# KiCad board panel12-1616.kicad_pcb (continued)
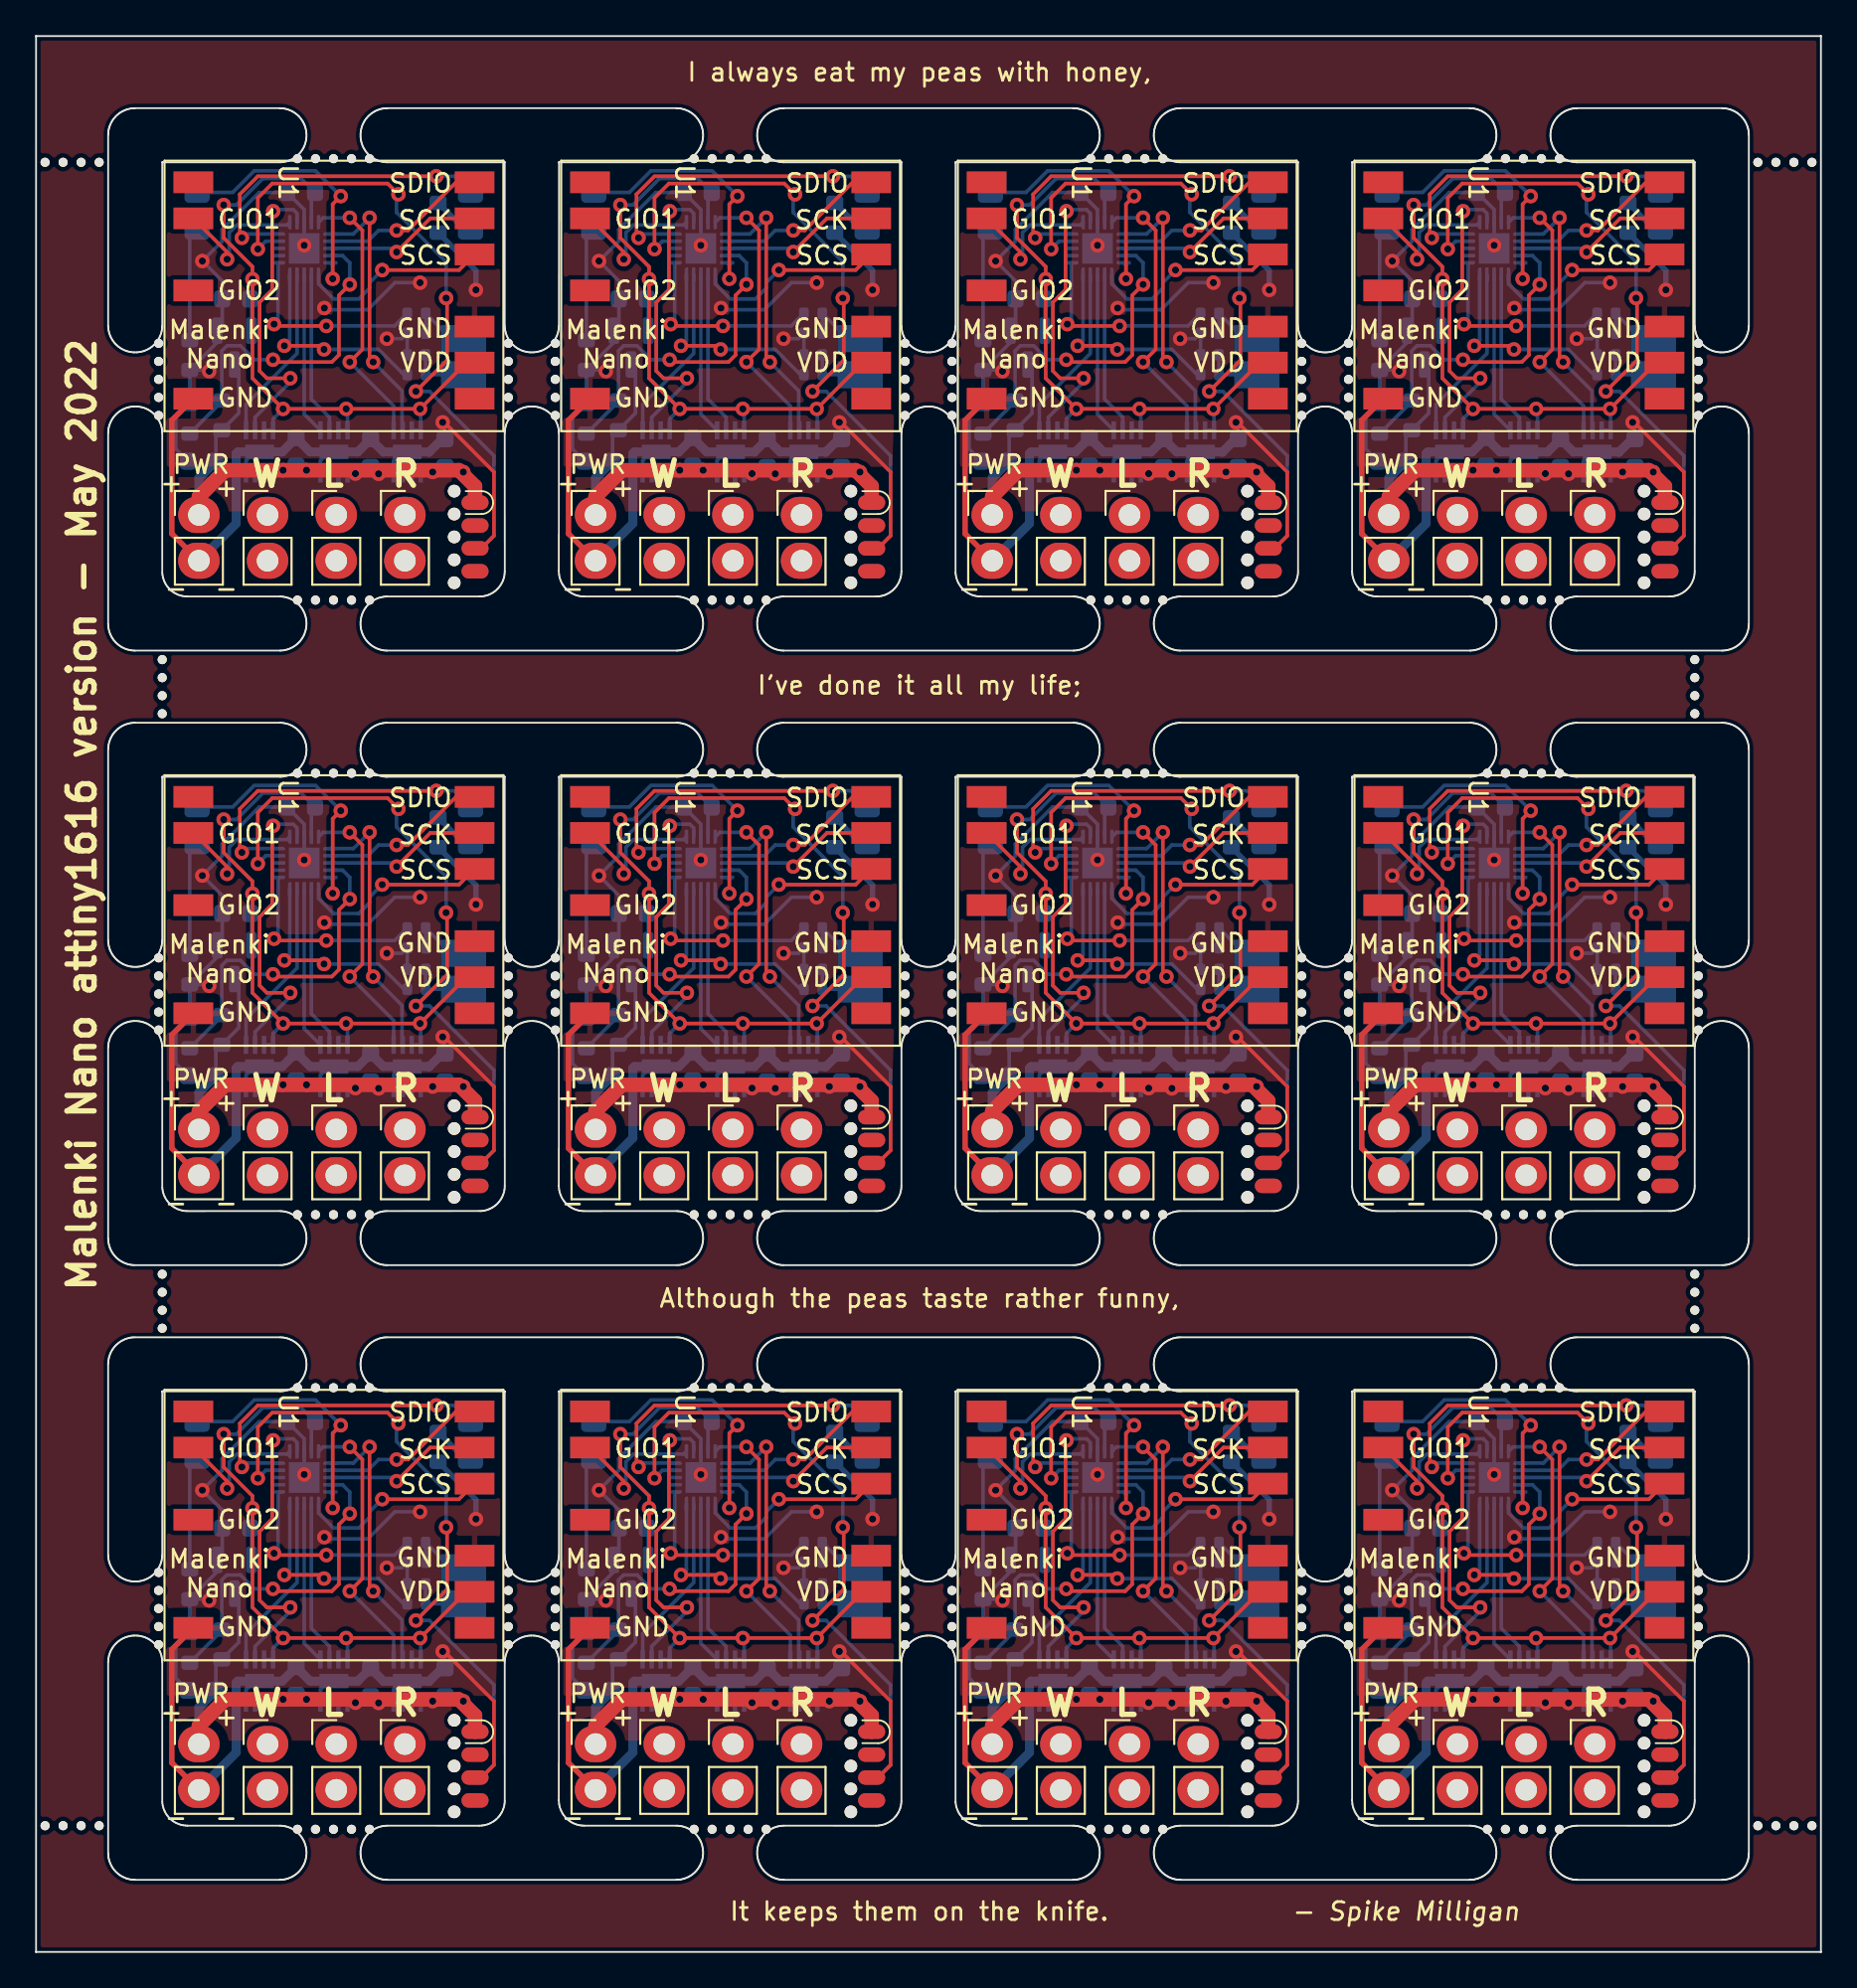
[diagram p0: board, top side]
## Placement (name value [footprint] x y rotation side) (continued)
REF**#46  -  [NPTH]  97.52 7 0 top
REF**#47  -  [NPTH]  82.52 99.45 0 top
REF**#48  -  [NPTH]  61.51 99.45 0 top
REF**#49  -  [NPTH]  48.21 19.04 0 top
REF**#50  -  [NPTH]  59.51 40.89 0 top
REF**#51  -  [NPTH]  70.21 17.05 0 top
REF**#52  -  [NPTH]  39.51 74.97 0 top
REF**#53  -  [NPTH]  40.51 65.37 0 top
REF**#54  -  [NPTH]  15.5 31.29 0 top
REF**#55  -  [NPTH]  38.51 40.89 0 top
REF**#56  -  [NPTH]  28.81 88.21 0 top
REF**#57  -  [NPTH]  15.5 99.45 0 top
REF**#58  -  [NPTH]  16.5 40.89 0 top
REF**#59  -  [NPTH]  17.5 31.29 0 top
REF**#60  -  [NPTH]  6.8 87.21 0 top
REF**#61  -  [NPTH]  92.22 88.21 0 top
REF**#62  -  [NPTH]  83.52 40.89 0 top
REF**#63  -  [NPTH]  7 37.59 0 top
REF**#64  -  [NPTH]  28.81 21.05 0 top
REF**#65  -  [NPTH]  62.51 40.89 0 top
REF**#66  -  [NPTH]  38.51 31.29 0 top
REF**#67  -  [NPTH]  98.52 99.25 0 top
REF**#68  -  [NPTH]  92.22 86.21 0 top
REF**#69  -  [NPTH]  40.51 31.29 0 top
REF**#70  -  [NPTH]  18.5 6.8 0 top
REF**#71  -  [NPTH]  72.81 20.05 0 top
REF**#72  -  [NPTH]  80.52 74.97 0 top
REF**#73  -  [NPTH]  28.81 86.21 0 top
REF**#74  -  [NPTH]  26.2 55.13 0 top
REF**#75  -  [NPTH]  14.5 40.89 0 top
REF**#76  -  [NPTH]  92.22 87.21 0 top
REF**#77  -  [NPTH]  50.81 88.21 0 top
REF**#78  -  [NPTH]  16.5 6.8 0 top
REF**#79  -  [NPTH]  28.8 17.05 0 top
REF**#80  -  [NPTH]  92.02 68.67 0 top
REF**#81  -  [NPTH]  26.2 52.13 0 top
REF**#82  -  [NPTH]  92.02 69.67 0 top
REF**#83  -  [NPTH]  92.22 18.04 0 top
REF**#84  -  [NPTH]  59.51 6.8 0 top
REF**#85  -  [NPTH]  59.51 74.97 0 top
REF**#86  -  [NPTH]  36.51 40.89 0 top
REF**#87  -  [NPTH]  61.51 65.37 0 top
REF**#88  -  [NPTH]  92.02 34.59 0 top
REF**#89  -  [NPTH]  14.5 65.37 0 top
REF**#90  -  [NPTH]  26.2 19.05 0 top
REF**#91  -  [NPTH]  1.5 99.25 0 top
REF**#92  -  [NPTH]  48.21 53.13 0 top
REF**#93  -  [NPTH]  72.81 88.21 0 top
REF**#94  -  [NPTH]  26.2 21.05 0 top
REF**#95  -  [NPTH]  40.51 99.45 0 top
REF**#96  -  [NPTH]  58.51 31.29 0 top
REF**#97  -  [NPTH]  80.52 6.8 0 top
REF**#98  -  [NPTH]  2.5 7 0 top
REF**#99  -  [NPTH]  58.51 65.37 0 top
REF**#100  -  [NPTH]  16.5 99.45 0 top
REF**#101  -  [NPTH]  48.21 18.04 0 top
REF**#102  -  [NPTH]  48.21 89.21 0 top
REF**#103  -  [NPTH]  92.22 19.04 0 top
REF**#104  -  [NPTH]  37.51 99.45 0 top
REF**#105  -  [NPTH]  28.81 89.21 0 top
REF**#106  -  [NPTH]  16.5 65.37 0 top
REF**#107  -  [NPTH]  6.8 54.13 0 top
REF**#108  -  [NPTH]  26.2 88.21 0 top
REF**#109  -  [NPTH]  28.81 87.21 0 top
REF**#110  -  [NPTH]  3.5 7 0 top
REF**#111  -  [NPTH]  18.5 74.97 0 top
REF**#112  -  [NPTH]  38.51 74.97 0 top
REF**#113  -  [NPTH]  48.21 88.21 0 top
REF**#114  -  [NPTH]  48.21 51.13 0 top
REF**#115  -  [NPTH]  50.81 86.21 0 top
REF**#116  -  [NPTH]  60.51 6.8 0 top
REF**#117  -  [NPTH]  26.2 18.05 0 top
REF**#118  -  [NPTH]  7 68.67 0 top
REF**#119  -  [NPTH]  70.21 19.05 0 top
REF**#120  -  [NPTH]  28.81 55.13 0 top
REF**#121  -  [NPTH]  82.52 40.89 0 top
REF**#122  -  [NPTH]  72.81 85.21 0 top
REF**#123  -  [NPTH]  28.81 18.05 0 top
REF**#124  -  [NPTH]  39.51 6.8 0 top
REF**#125  -  [NPTH]  6.8 88.21 0 top
REF**#126  -  [NPTH]  15.5 40.89 0 top
REF**#127  -  [NPTH]  70.21 87.21 0 top
REF**#128  -  [NPTH]  92.22 17.04 0 top
REF**#129  -  [NPTH]  50.81 52.13 0 top
REF**#130  -  [NPTH]  17.5 74.97 0 top
REF**#131  -  [NPTH]  40.51 74.97 0 top
REF**#132  -  [NPTH]  60.51 65.37 0 top
REF**#133  -  [NPTH]  40.51 40.89 0 top
REF**#134  -  [NPTH]  80.52 40.89 0 top
REF**#135  -  [NPTH]  84.52 40.89 0 top
REF**#136  -  [NPTH]  84.52 65.37 0 top
REF**#137  -  [NPTH]  81.52 6.8 0 top
REF**#138  -  [NPTH]  26.2 89.21 0 top
REF**#139  -  [NPTH]  15.5 65.37 0 top
REF**#140  -  [NPTH]  50.81 53.13 0 top
REF**#141  -  [NPTH]  6.8 89.21 0 top
REF**#142  -  [NPTH]  18.5 31.29 0 top
REF**#143  -  [NPTH]  83.52 31.29 0 top
REF**#144  -  [NPTH]  17.5 65.37 0 top
REF**#145  -  [NPTH]  39.51 65.37 0 top
REF**#146  -  [NPTH]  72.81 53.13 0 top
REF**#147  -  [NPTH]  98.52 7 0 top
REF**#148  -  [NPTH]  92.22 55.13 0 top
REF**#149  -  [NPTH]  82.52 65.37 0 top
REF**#150  -  [NPTH]  50.81 51.13 0 top
REF**#151  -  [NPTH]  70.21 18.05 0 top
REF**#152  -  [NPTH]  17.5 40.89 0 top
REF**#153  -  [NPTH]  92.22 85.21 0 top
REF**#154  -  [NPTH]  26.2 86.21 0 top
REF**#155  -  [NPTH]  37.51 31.29 0 top
REF**#156  -  [NPTH]  18.5 65.37 0 top
REF**#157  -  [NPTH]  81.52 74.97 0 top
REF**#158  -  [NPTH]  62.51 99.45 0 top
REF**#159  -  [NPTH]  83.52 99.45 0 top
REF**#160  -  [NPTH]  92.02 70.67 0 top
REF**#161  -  [NPTH]  92.22 52.13 0 top
REF**#162  -  [NPTH]  92.22 53.13 0 top
REF**#163  -  [NPTH]  50.81 89.21 0 top
REF**#164  -  [NPTH]  60.51 31.29 0 top
REF**#165  -  [NPTH]  28.81 19.05 0 top
REF**#166  -  [NPTH]  60.51 99.45 0 top
REF**#167  -  [NPTH]  6.8 52.13 0 top
REF**#168  -  [NPTH]  50.81 19.05 0 top
REF**#169  -  [NPTH]  58.51 6.8 0 top
REF**#170  -  [NPTH]  80.52 99.45 0 top
REF**#171  -  [NPTH]  38.51 99.45 0 top
REF**#172  -  [NPTH]  39.51 31.29 0 top
REF**#173  -  [NPTH]  96.52 99.25 0 top
REF**#174  -  [NPTH]  84.52 6.8 0 top
REF**#175  -  [NPTH]  70.21 53.13 0 top
REF**#176  -  [NPTH]  80.52 65.37 0 top
REF**#177  -  [NPTH]  36.51 6.8 0 top
REF**#178  -  [NPTH]  60.51 40.89 0 top
REF**#179  -  [NPTH]  28.81 54.13 0 top
REF**#180  -  [NPTH]  6.8 55.13 0 top
REF**#181  -  [NPTH]  17.5 99.45 0 top
REF**#182  -  [NPTH]  92.22 54.13 0 top
REF**#183  -  [NPTH]  15.5 74.97 0 top
REF**#184  -  [NPTH]  62.51 74.97 0 top
REF**#185  -  [NPTH]  6.8 53.13 0 top
REF**#186  -  [NPTH]  97.52 99.25 0 top
REF**#187  -  [NPTH]  96.52 7 0 top
REF**#188  -  [NPTH]  36.51 99.45 0 top
REF**#189  -  [NPTH]  6.8 18.05 0 top
REF**#190  -  [NPTH]  48.21 87.21 0 top
REF**#191  -  [NPTH]  28.81 20.05 0 top
REF**#192  -  [NPTH]  26.2 17.05 0 top
REF**#193  -  [NPTH]  83.52 6.8 0 top
REF**#194  -  [NPTH]  72.81 21.05 0 top
REF**#195  -  [NPTH]  83.52 74.97 0 top
REF**#196  -  [NPTH]  39.51 40.89 0 top
REF**#197  -  [NPTH]  83.52 65.37 0 top
REF**#198  -  [NPTH]  92.02 35.59 0 top
REF**#199  -  [NPTH]  48.21 54.13 0 top
REF**#200  -  [NPTH]  36.51 31.29 0 top
REF**#201  -  [NPTH]  95.52 99.25 0 top
REF**#202  -  [NPTH]  17.5 6.8 0 top
REF**#203  -  [NPTH]  6.8 17.05 0 top
REF**#204  -  [NPTH]  72.81 55.13 0 top
REF**#205  -  [NPTH]  59.51 65.37 0 top
REF**#206  -  [NPTH]  14.5 6.8 0 top
REF**#207  -  [NPTH]  59.51 99.45 0 top
REF**#208  -  [NPTH]  6.8 20.05 0 top
REF**#209  -  [NPTH]  72.81 89.21 0 top
REF**#210  -  [NPTH]  0.5 99.25 0 top
REF**#211  -  [NPTH]  15.5 6.8 0 top
REF**#212  -  [NPTH]  48.21 17.04 0 top
REF**#213  -  [NPTH]  58.51 74.97 0 top
REF**#214  -  [NPTH]  70.21 51.13 0 top
REF**#215  -  [NPTH]  81.52 99.45 0 top
REF**#216  -  [NPTH]  81.52 40.89 0 top
REF**#217  -  [NPTH]  7 70.67 0 top
REF**#218  -  [NPTH]  92.02 36.59 0 top
REF**#219  -  [NPTH]  70.21 86.21 0 top
REF**#220  -  [NPTH]  72.81 87.21 0 top
REF**#221  -  [NPTH]  70.21 20.05 0 top
REF**#222  -  [NPTH]  58.51 40.89 0 top
REF**#223  -  [NPTH]  92.22 21.04 0 top
REF**#224  -  [NPTH]  72.81 86.21 0 top
REF**#225  -  [NPTH]  48.21 86.21 0 top
REF**#226  -  [NPTH]  62.51 31.29 0 top
REF**#227  -  [NPTH]  14.5 99.45 0 top
REF**#228  -  [NPTH]  26.2 53.13 0 top
REF**#229  -  [NPTH]  61.51 74.97 0 top
REF**#230  -  [NPTH]  72.81 52.13 0 top
REF**#231  -  [NPTH]  7 69.67 0 top
REF**#232  -  [NPTH]  84.52 99.45 0 top
REF**#233  -  [NPTH]  37.51 40.89 0 top
REF**#234  -  [NPTH]  70.21 55.13 0 top
REF**#235  -  [NPTH]  16.5 31.29 0 top
REF**#236  -  [NPTH]  0.5 7 0 top
REF**#237  -  [NPTH]  6.8 51.13 0 top
REF**#238  -  [NPTH]  50.81 87.21 0 top
REF**#239  -  [NPTH]  48.21 21.04 0 top
REF**#240  -  [NPTH]  81.52 31.29 0 top
REF**#241  -  [NPTH]  48.21 55.13 0 top
REF**#242  -  [NPTH]  72.81 51.13 0 top
REF**#243  -  [NPTH]  50.81 54.13 0 top
REF**#244  -  [NPTH]  61.51 31.29 0 top
REF**#245  -  [NPTH]  72.81 54.13 0 top
REF**#246  -  [NPTH]  92.02 71.67 0 top
REF**#247  -  [NPTH]  28.8 85.21 0 top
REF**#248  -  [NPTH]  48.21 85.21 0 top
REF**#249  -  [NPTH]  6.8 86.21 0 top
REF**#250  -  [NPTH]  26.2 20.05 0 top
REF**#251  -  [NPTH]  84.52 31.29 0 top
REF**#252  -  [NPTH]  40.51 6.8 0 top
REF**#253  -  [NPTH]  92.22 51.13 0 top
REF**#254  -  [NPTH]  70.21 89.21 0 top
REF**#255  -  [NPTH]  72.81 19.05 0 top
REF**#256  -  [NPTH]  70.21 85.21 0 top
REF**#257  -  [NPTH]  80.52 31.29 0 top
REF**#258  -  [NPTH]  48.21 52.13 0 top
REF**#259  -  [NPTH]  82.52 31.29 0 top
REF**#260  -  [NPTH]  37.51 6.8 0 top
REF**#261  -  [NPTH]  70.21 54.13 0 top
REF**#262  -  [NPTH]  2.5 99.25 0 top
REF**#263  -  [NPTH]  95.52 7 0 top
REF**#264  -  [NPTH]  6.8 21.05 0 top
REF**#265  -  [NPTH]  61.51 6.8 0 top
REF**#266  -  [NPTH]  28.81 53.13 0 top
REF**#267  -  [NPTH]  7 71.67 0 top
REF**#268  -  [NPTH]  28.81 52.13 0 top
REF**#269  -  [NPTH]  84.52 74.97 0 top
REF**#270  -  [NPTH]  18.5 99.45 0 top
REF**#271  -  [NPTH]  50.81 20.05 0 top
REF**#272  -  [NPTH]  48.21 20.04 0 top
U1  A7105-MODULE  [A7105-module]  60.54 92.14 270 top
U1#2  A7105-MODULE  [A7105-module]  82.54 58.06 270 top
U1#3  A7105-MODULE  [A7105-module]  38.53 58.06 270 top
U1#4  A7105-MODULE  [A7105-module]  60.54 23.97 270 top
U1#5  A7105-MODULE  [A7105-module]  82.54 23.97 270 top
U1#6  A7105-MODULE  [A7105-module]  60.54 58.06 270 top
U1#7  A7105-MODULE  [A7105-module]  16.53 92.14 270 top
U1#8  A7105-MODULE  [A7105-module]  82.54 92.14 270 top
U1#9  A7105-MODULE  [A7105-module]  38.53 23.97 270 top
U1#10  A7105-MODULE  [A7105-module]  38.53 92.14 270 top
U1#11  A7105-MODULE  [A7105-module]  16.53 58.06 270 top
U1#12  A7105-MODULE  [A7105-module]  16.53 23.97 270 top
U2  AIC1734-33GUTR  [SOT-23]  11 54.89 270 bottom
U2#2  AIC1734-33GUTR  [SOT-23]  33.01 88.97 270 bottom
U2#3  AIC1734-33GUTR  [SOT-23]  55.01 88.97 270 bottom
U2#4  AIC1734-33GUTR  [SOT-23]  33.01 54.89 270 bottom
U2#5  AIC1734-33GUTR  [SOT-23]  11 20.81 270 bottom
U2#6  AIC1734-33GUTR  [SOT-23]  33.01 20.81 270 bottom
U2#7  AIC1734-33GUTR  [SOT-23]  55.01 20.81 270 bottom
U2#8  AIC1734-33GUTR  [SOT-23]  77.02 54.89 270 bottom
U2#9  AIC1734-33GUTR  [SOT-23]  77.02 20.81 270 bottom
U2#10  AIC1734-33GUTR  [SOT-23]  55.01 54.89 270 bottom
U2#11  AIC1734-33GUTR  [SOT-23]  11 88.97 270 bottom
U2#12  AIC1734-33GUTR  [SOT-23]  77.02 88.97 270 bottom
U3  ATtiny1616-M  [VQFN-20-1EP_3x3mm_P0.4mm_EP1.7x1.7mm]  80.89 60.39 270 bottom
U3#2  ATtiny1616-M  [VQFN-20-1EP_3x3mm_P0.4mm_EP1.7x1.7mm]  80.89 94.47 270 bottom
U3#3  ATtiny1616-M  [VQFN-20-1EP_3x3mm_P0.4mm_EP1.7x1.7mm]  14.88 26.31 270 bottom
U3#4  ATtiny1616-M  [VQFN-20-1EP_3x3mm_P0.4mm_EP1.7x1.7mm]  58.89 26.31 270 bottom
U3#5  ATtiny1616-M  [VQFN-20-1EP_3x3mm_P0.4mm_EP1.7x1.7mm]  36.88 26.31 270 bottom
U3#6  ATtiny1616-M  [VQFN-20-1EP_3x3mm_P0.4mm_EP1.7x1.7mm]  58.89 94.47 270 bottom
U3#7  ATtiny1616-M  [VQFN-20-1EP_3x3mm_P0.4mm_EP1.7x1.7mm]  36.88 94.47 270 bottom
U3#8  ATtiny1616-M  [VQFN-20-1EP_3x3mm_P0.4mm_EP1.7x1.7mm]  14.88 94.47 270 bottom
U3#9  ATtiny1616-M  [VQFN-20-1EP_3x3mm_P0.4mm_EP1.7x1.7mm]  58.89 60.39 270 bottom
U3#10  ATtiny1616-M  [VQFN-20-1EP_3x3mm_P0.4mm_EP1.7x1.7mm]  36.88 60.39 270 bottom
U3#11  ATtiny1616-M  [VQFN-20-1EP_3x3mm_P0.4mm_EP1.7x1.7mm]  14.88 60.39 270 bottom
U3#12  ATtiny1616-M  [VQFN-20-1EP_3x3mm_P0.4mm_EP1.7x1.7mm]  80.89 26.31 270 bottom
U5  DRV8837DSGR  [WSON-8-1EP_2x2mm_P0.5mm_HAND1]  34.4 83.19 90 bottom
U5#2  DRV8837DSGR  [WSON-8-1EP_2x2mm_P0.5mm_HAND1]  78.41 49.1 90 bottom
U5#3  DRV8837DSGR  [WSON-8-1EP_2x2mm_P0.5mm_HAND1]  12.4 83.19 90 bottom
U5#4  DRV8837DSGR  [WSON-8-1EP_2x2mm_P0.5mm_HAND1]  56.41 49.1 90 bottom
U5#5  DRV8837DSGR  [WSON-8-1EP_2x2mm_P0.5mm_HAND1]  56.41 83.19 90 bottom
U5#6  DRV8837DSGR  [WSON-8-1EP_2x2mm_P0.5mm_HAND1]  12.4 49.1 90 bottom
U5#7  DRV8837DSGR  [WSON-8-1EP_2x2mm_P0.5mm_HAND1]  34.4 49.1 90 bottom
U5#8  DRV8837DSGR  [WSON-8-1EP_2x2mm_P0.5mm_HAND1]  34.4 15.02 90 bottom
U5#9  DRV8837DSGR  [WSON-8-1EP_2x2mm_P0.5mm_HAND1]  78.41 15.02 90 bottom
U5#10  DRV8837DSGR  [WSON-8-1EP_2x2mm_P0.5mm_HAND1]  56.41 15.02 90 bottom
U5#11  DRV8837DSGR  [WSON-8-1EP_2x2mm_P0.5mm_HAND1]  12.4 15.02 90 bottom
U5#12  DRV8837DSGR  [WSON-8-1EP_2x2mm_P0.5mm_HAND1]  78.41 83.19 90 bottom
U6  DRV8837DSGR  [WSON-8-1EP_2x2mm_P0.5mm_HAND1]  38.53 49.1 90 bottom
U6#2  DRV8837DSGR  [WSON-8-1EP_2x2mm_P0.5mm_HAND1]  82.54 15.02 90 bottom
U6#3  DRV8837DSGR  [WSON-8-1EP_2x2mm_P0.5mm_HAND1]  38.53 83.19 90 bottom
U6#4  DRV8837DSGR  [WSON-8-1EP_2x2mm_P0.5mm_HAND1]  60.54 49.1 90 bottom
U6#5  DRV8837DSGR  [WSON-8-1EP_2x2mm_P0.5mm_HAND1]  60.54 15.02 90 bottom
U6#6  DRV8837DSGR  [WSON-8-1EP_2x2mm_P0.5mm_HAND1]  16.53 49.1 90 bottom
U6#7  DRV8837DSGR  [WSON-8-1EP_2x2mm_P0.5mm_HAND1]  16.53 83.19 90 bottom
U6#8  DRV8837DSGR  [WSON-8-1EP_2x2mm_P0.5mm_HAND1]  38.53 15.02 90 bottom
U6#9  DRV8837DSGR  [WSON-8-1EP_2x2mm_P0.5mm_HAND1]  82.54 83.19 90 bottom
U6#10  DRV8837DSGR  [WSON-8-1EP_2x2mm_P0.5mm_HAND1]  60.54 83.19 90 bottom
U6#11  DRV8837DSGR  [WSON-8-1EP_2x2mm_P0.5mm_HAND1]  82.54 49.1 90 bottom
U6#12  DRV8837DSGR  [WSON-8-1EP_2x2mm_P0.5mm_HAND1]  16.53 15.02 90 bottom
U7  DRV8837DSGR  [WSON-8-1EP_2x2mm_P0.5mm_HAND1]  20.59 83.19 90 bottom
U7#2  DRV8837DSGR  [WSON-8-1EP_2x2mm_P0.5mm_HAND1]  64.6 49.1 90 bottom
U7#3  DRV8837DSGR  [WSON-8-1EP_2x2mm_P0.5mm_HAND1]  42.6 49.1 90 bottom
U7#4  DRV8837DSGR  [WSON-8-1EP_2x2mm_P0.5mm_HAND1]  86.6 49.1 90 bottom
U7#5  DRV8837DSGR  [WSON-8-1EP_2x2mm_P0.5mm_HAND1]  64.6 83.19 90 bottom
U7#6  DRV8837DSGR  [WSON-8-1EP_2x2mm_P0.5mm_HAND1]  86.6 15.02 90 bottom
U7#7  DRV8837DSGR  [WSON-8-1EP_2x2mm_P0.5mm_HAND1]  86.6 83.19 90 bottom
U7#8  DRV8837DSGR  [WSON-8-1EP_2x2mm_P0.5mm_HAND1]  42.6 83.19 90 bottom
U7#9  DRV8837DSGR  [WSON-8-1EP_2x2mm_P0.5mm_HAND1]  20.59 49.1 90 bottom
U7#10  DRV8837DSGR  [WSON-8-1EP_2x2mm_P0.5mm_HAND1]  64.6 15.02 90 bottom
U7#11  DRV8837DSGR  [WSON-8-1EP_2x2mm_P0.5mm_HAND1]  20.59 15.02 90 bottom
U7#12  DRV8837DSGR  [WSON-8-1EP_2x2mm_P0.5mm_HAND1]  42.6 15.02 90 bottom

## Library data of the parts
C2 C2#2-C2#12 C3 C3#2-C3#12 C5 C5#2-C5#12 C6 C6#2-C6#12 C7 C7#2-C7#12 = -: LCSC: C2922482
C4 C4#2-C4#12 = -: LCSC: C14663; Partnum: C14663
D1 D1#2-D1#12 = -: LCSC: C2293
D2 D2#2-D2#12 = -: LCSC: C84256
R1 R1#2-R1#12 R2 R2#2-R2#12 = -: LCSC: C22962; Partnum: C22962
R3 R3#2-R3#12 = -: LCSC: C4216; Partnum: C4216
R4 R4#2-R4#12 = -: LCSC: C25804; Partnum: C25804
R5 R5#2-R5#12 R6 R6#2-R6#12 = -: LCSC: C25117
R7 R7#2-R7#12 R8 R8#2-R8#12 = -: LCSC: C25744
U2 U2#2-U2#12 = -: LCSC: C211659; Partnum: C211659
U3 U3#2-U3#12 = -: LCSC: C507118
U5 U5#2-U5#12 U6 U6#2-U6#12 U7 U7#2-U7#12 = -: LCSC: C39159

## Footprints (pads in the part's own frame, mm; a bottom-side part is the same pattern mirrored in y, then rotated)
A7105-module
  rect 1.2x2.2 smd: 1(-6,-7.8) 2(-4,-7.8) 4(0,-7.8) 7(6,-7.8) 8(6,7.8) 9(4,7.8) 10(2,7.8) 12(-2,7.8) 13(-4,7.8) 14(-6,7.8)
C_0603_1608Metric
  rrect 0.9x0.95 smd: 1(-0.775,0) 2(0.775,0)
LED_0805_2012Metric_Pad1.15x1.40mm_HandSolder
  rrect 1.15x1.4 smd: 1(-1.025,0) 2(1.025,0)
NPTH
  round 0.5 hole 0.5 unplated: (0,0)
PinHeader_1x02_P2.54mm_BIG1
  oval 2.3x2 hole 1.2: 1(0,0) 2(0,-2.54)
R_0402_1005Metric
  rrect 0.54x0.64 smd: 1(-0.51,0) 2(0.51,0)
R_0603_1608Metric
  rrect 0.8x0.95 smd: 1(-0.825,0) 2(0.825,0)
SOIC_clipProgSmall
  round 0.7 hole 0.7 unplated: (-2.54,1.905) (-1.27,1.905) (0,1.905) (1.27,1.905) (2.54,1.905)
  oval 0.8x1.5 smd: 1(1.905,0.75) 2(0.635,0.75) 3(-0.635,0.75) 4(-1.905,0.75)
  oval 0.8x1.5 smd far side: 5(-1.905,0.75) 6(-0.635,0.75) 7(0.635,0.75) 8(1.905,0.75)
SOT-23
  rrect 1.475x0.6 smd: 1(-0.938,0.95) 2(-0.938,-0.95) 3(0.938,0)
VQFN-20-1EP_3x3mm_P0.4mm_EP1.7x1.7mm
  rrect 0.69x0.69 smd: (-0.425,-0.425) (-0.425,0.425) (0.425,-0.425) (0.425,0.425)
  custom 0.8x0.2 smd: 1(-1.45,0.8) 5(-1.45,-0.8) 11(1.45,-0.8) 15(1.45,0.8)
  rrect 0.8x0.2 smd: 2(-1.45,0.4) 3(-1.45,0) 4(-1.45,-0.4) 12(1.45,-0.4) 13(1.45,0) 14(1.45,0.4)
  custom 0.2x0.8 smd: 6(-0.8,-1.45) 10(0.8,-1.45) 16(0.8,1.45) 20(-0.8,1.45)
  rrect 0.2x0.8 smd: 7(-0.4,-1.45) 8(0,-1.45) 9(0.4,-1.45) 17(0.4,1.45) 18(0,1.45) 19(-0.4,1.45)
  rect 1.7x1.7 smd: 21(0,0)
wirepad_2
  rect 1.5x2.5 smd: 1(-1,0) 2(1,0)
WSON-8-1EP_2x2mm_P0.5mm_HAND1
  rect 0.6x0.65 smd: (0,-0.4) (0,0.4)
  rect 1x0.25 smd: 1(-1.2,0.75) 2(-1.2,0.25) 3(-1.2,-0.25) 4(-1.2,-0.75) 5(1.2,-0.75) 6(1.2,-0.25) 7(1.2,0.25) 8(1.2,0.75)
  rect 0.8x1.6 smd: 9(0,0)

## Nets
Board_0-/W2: R5#10.2 U3#8.15
Board_0-/W3: R6.2 U3#8.16
Board_0-BLINKY: D1#7.2 U3#8.10
Board_0-GIO1: U1#7.2 U3#8.1
Board_0-GND: C2#7.2 C3#10.2 C4#12.2 C5#9.2 C6#12.2 C7.2 J1#10.2 J2#11.3 R1#10.2 R2#2.2 R4#10.2 R7#10.1 R8#6.1 U1#7.7 U1#7.10 U2#11.1 U3#8.3 U3#8.21 U5#3.4 U5#3.9 U6#7.4 U6#7.9 U7.4 U7.9
Board_0-MOTOR1F: U3#8.2 U5#3.6
Board_0-MOTOR1R: U3#8.14 U5#3.5
Board_0-MOTOR2F: U3#8.12 U6#7.6
Board_0-MOTOR2R: U3#8.13 U6#7.5
Board_0-MOTOR3F: U3#8.6 U7.6
Board_0-MOTOR3R: U3#8.5 U7.5
Board_0-Net-(D1-Pad1): D1#7.1 R1#10.1
Board_0-Net-(D2-Pad1): D2#10.1 R2#2.1
Board_0-Net-(J5-Pad1): J5#4.1 U5#3.3
Board_0-Net-(J5-Pad2): J5#4.2 U5#3.2
Board_0-Net-(J6-Pad1): J6.1 U6#7.3
Board_0-Net-(J6-Pad2): J6.2 U6#7.2
Board_0-Net-(J7-Pad1): J7#12.1 U7.3
Board_0-Net-(J7-Pad2): J7#12.2 U7.2
Board_0-SPI_SCK: U1#7.13 U3#8.8
Board_0-SPI_SCS: U1#7.12 U3#8.11
Board_0-SPI_SDIO: U1#7.14 U3#8.7
Board_0-TXDEBUG: D2#10.2 U3#8.20
Board_0-unconnected-(J2-Pad2): J2#11.2
Board_0-unconnected-(J2-Pad4): J2#11.4
Board_0-unconnected-(J2-Pad5): J2#11.5
Board_0-unconnected-(J2-Pad7): J2#11.7
Board_0-unconnected-(J2-Pad8): J2#11.8
Board_0-unconnected-(U1-Pad1): U1#7.1
Board_0-unconnected-(U1-Pad4): U1#7.4
Board_0-unconnected-(U1-Pad8): U1#7.8
Board_0-unconnected-(U3-Pad17): U3#8.17
Board_0-unconnected-(U3-Pad18): U3#8.18
Board_0-UPDI: J2#11.6 U3#8.19
Board_0-VBAT: C2#7.1 C5#9.1 C6#12.1 C7.1 J1#10.1 J2#11.1 R3.1 U2#11.3 U5#3.1 U6#7.1 U7.1
Board_0-VLOGIC: C3#10.1 C4#12.1 U1#7.9 U2#11.2 U3#8.4 U5#3.7 U5#3.8 U6#7.7 U6#7.8 U7.7 U7.8
Board_0-VSENSE: R3.2 R4#10.1 U3#8.9
Board_0-WEAPON2: J3#6.2 R5#10.1 R7#10.2
Board_0-WEAPON3: J3#6.1 R6.1 R8#6.2
Board_1-/W2: R5#11.2 U3#7.15
Board_1-/W3: R6#7.2 U3#7.16
Board_1-BLINKY: D1#2.2 U3#7.10
Board_1-GIO1: U1#10.2 U3#7.1
Board_1-GND: C2#2.2 C3#12.2 C4#4.2 C5#4.2 C6#7.2 C7#2.2 J1#11.2 J2#10.3 R1.2 R2#6.2 R4#8.2 R7#11.1 R8#4.1 U1#10.7 U1#10.10 U2#2.1 U3#7.3 U3#7.21 U5.4 U5.9 U6#3.4 U6#3.9 U7#8.4 U7#8.9
Board_1-MOTOR1F: U3#7.2 U5.6
Board_1-MOTOR1R: U3#7.14 U5.5
Board_1-MOTOR2F: U3#7.12 U6#3.6
Board_1-MOTOR2R: U3#7.13 U6#3.5
Board_1-MOTOR3F: U3#7.6 U7#8.6
Board_1-MOTOR3R: U3#7.5 U7#8.5
Board_1-Net-(D1-Pad1): D1#2.1 R1.1
Board_1-Net-(D2-Pad1): D2#11.1 R2#6.1
Board_1-Net-(J5-Pad1): J5#8.1 U5.3
Board_1-Net-(J5-Pad2): J5#8.2 U5.2
Board_1-Net-(J6-Pad1): J6#5.1 U6#3.3
Board_1-Net-(J6-Pad2): J6#5.2 U6#3.2
Board_1-Net-(J7-Pad1): J7#3.1 U7#8.3
Board_1-Net-(J7-Pad2): J7#3.2 U7#8.2
Board_1-SPI_SCK: U1#10.13 U3#7.8
Board_1-SPI_SCS: U1#10.12 U3#7.11
Board_1-SPI_SDIO: U1#10.14 U3#7.7
Board_1-TXDEBUG: D2#11.2 U3#7.20
Board_1-unconnected-(J2-Pad2): J2#10.2
Board_1-unconnected-(J2-Pad4): J2#10.4
Board_1-unconnected-(J2-Pad5): J2#10.5
Board_1-unconnected-(J2-Pad7): J2#10.7
Board_1-unconnected-(J2-Pad8): J2#10.8
Board_1-unconnected-(U1-Pad1): U1#10.1
Board_1-unconnected-(U1-Pad4): U1#10.4
Board_1-unconnected-(U1-Pad8): U1#10.8
Board_1-unconnected-(U3-Pad17): U3#7.17
Board_1-unconnected-(U3-Pad18): U3#7.18
Board_1-UPDI: J2#10.6 U3#7.19
Board_1-VBAT: C2#2.1 C5#4.1 C6#7.1 C7#2.1 J1#11.1 J2#10.1 R3#6.1 U2#2.3 U5.1 U6#3.1 U7#8.1
Board_1-VLOGIC: C3#12.1 C4#4.1 U1#10.9 U2#2.2 U3#7.4 U5.7 U5.8 U6#3.7 U6#3.8 U7#8.7 U7#8.8
Board_1-VSENSE: R3#6.2 R4#8.1 U3#7.9
Board_1-WEAPON2: J3#9.2 R5#11.1 R7#11.2
Board_1-WEAPON3: J3#9.1 R6#7.1 R8#4.2
Board_2-/W2: R5#4.2 U3#6.15
Board_2-/W3: R6#3.2 U3#6.16
Board_2-BLINKY: D1#3.2 U3#6.10
Board_2-GIO1: U1.2 U3#6.1
Board_2-GND: C2#3.2 C3#5.2 C4#9.2 C5#8.2 C6#11.2 C7#12.2 J1#7.2 J2#3.3 R1#11.2 R2#4.2 R4#4.2 R7#7.1 R8.1 U1.7 U1.10 U2#3.1 U3#6.3 U3#6.21 U5#5.4 U5#5.9 U6#10.4 U6#10.9 U7#5.4 U7#5.9
Board_2-MOTOR1F: U3#6.2 U5#5.6
Board_2-MOTOR1R: U3#6.14 U5#5.5
Board_2-MOTOR2F: U3#6.12 U6#10.6
Board_2-MOTOR2R: U3#6.13 U6#10.5
Board_2-MOTOR3F: U3#6.6 U7#5.6
Board_2-MOTOR3R: U3#6.5 U7#5.5
Board_2-Net-(D1-Pad1): D1#3.1 R1#11.1
Board_2-Net-(D2-Pad1): D2#3.1 R2#4.1
Board_2-Net-(J5-Pad1): J5#2.1 U5#5.3
Board_2-Net-(J5-Pad2): J5#2.2 U5#5.2
Board_2-Net-(J6-Pad1): J6#6.1 U6#10.3
Board_2-Net-(J6-Pad2): J6#6.2 U6#10.2
Board_2-Net-(J7-Pad1): J7#2.1 U7#5.3
Board_2-Net-(J7-Pad2): J7#2.2 U7#5.2
Board_2-SPI_SCK: U1.13 U3#6.8
Board_2-SPI_SCS: U1.12 U3#6.11
Board_2-SPI_SDIO: U1.14 U3#6.7
Board_2-TXDEBUG: D2#3.2 U3#6.20
Board_2-unconnected-(J2-Pad2): J2#3.2
Board_2-unconnected-(J2-Pad4): J2#3.4
Board_2-unconnected-(J2-Pad5): J2#3.5
Board_2-unconnected-(J2-Pad7): J2#3.7
Board_2-unconnected-(J2-Pad8): J2#3.8
Board_2-unconnected-(U1-Pad1): U1.1
Board_2-unconnected-(U1-Pad4): U1.4
Board_2-unconnected-(U1-Pad8): U1.8
Board_2-unconnected-(U3-Pad17): U3#6.17
Board_2-unconnected-(U3-Pad18): U3#6.18
Board_2-UPDI: J2#3.6 U3#6.19
Board_2-VBAT: C2#3.1 C5#8.1 C6#11.1 C7#12.1 J1#7.1 J2#3.1 R3#9.1 U2#3.3 U5#5.1 U6#10.1 U7#5.1
Board_2-VLOGIC: C3#5.1 C4#9.1 U1.9 U2#3.2 U3#6.4 U5#5.7 U5#5.8 U6#10.7 U6#10.8 U7#5.7 U7#5.8
Board_2-VSENSE: R3#9.2 R4#4.1 U3#6.9
Board_2-WEAPON2: J3#12.2 R5#4.1 R7#7.2
Board_2-WEAPON3: J3#12.1 R6#3.1 R8.2
Board_3-/W2: R5#6.2 U3#2.15
Board_3-/W3: R6#5.2 U3#2.16
Board_3-BLINKY: D1#10.2 U3#2.10
Board_3-GIO1: U1#8.2 U3#2.1
Board_3-GND: C2#6.2 C3#7.2 C4#11.2 C5.2 C6#5.2 C7#8.2 J1.2 J2.3 R1#8.2 R2#9.2 R4#9.2 R7#2.1 R8#3.1 U1#8.7 U1#8.10 U2#12.1 U3#2.3 U3#2.21 U5#12.4 U5#12.9 U6#9.4 U6#9.9 U7#7.4 U7#7.9
Board_3-MOTOR1F: U3#2.2 U5#12.6
Board_3-MOTOR1R: U3#2.14 U5#12.5
Board_3-MOTOR2F: U3#2.12 U6#9.6
Board_3-MOTOR2R: U3#2.13 U6#9.5
Board_3-MOTOR3F: U3#2.6 U7#7.6
Board_3-MOTOR3R: U3#2.5 U7#7.5
Board_3-Net-(D1-Pad1): D1#10.1 R1#8.1
Board_3-Net-(D2-Pad1): D2#8.1 R2#9.1
Board_3-Net-(J5-Pad1): J5#6.1 U5#12.3
Board_3-Net-(J5-Pad2): J5#6.2 U5#12.2
Board_3-Net-(J6-Pad1): J6#3.1 U6#9.3
Board_3-Net-(J6-Pad2): J6#3.2 U6#9.2
Board_3-Net-(J7-Pad1): J7.1 U7#7.3
Board_3-Net-(J7-Pad2): J7.2 U7#7.2
Board_3-SPI_SCK: U1#8.13 U3#2.8
Board_3-SPI_SCS: U1#8.12 U3#2.11
Board_3-SPI_SDIO: U1#8.14 U3#2.7
Board_3-TXDEBUG: D2#8.2 U3#2.20
Board_3-unconnected-(J2-Pad2): J2.2
Board_3-unconnected-(J2-Pad4): J2.4
Board_3-unconnected-(J2-Pad5): J2.5
Board_3-unconnected-(J2-Pad7): J2.7
Board_3-unconnected-(J2-Pad8): J2.8
Board_3-unconnected-(U1-Pad1): U1#8.1
Board_3-unconnected-(U1-Pad4): U1#8.4
Board_3-unconnected-(U1-Pad8): U1#8.8
Board_3-unconnected-(U3-Pad17): U3#2.17
Board_3-unconnected-(U3-Pad18): U3#2.18
Board_3-UPDI: J2.6 U3#2.19
Board_3-VBAT: C2#6.1 C5.1 C6#5.1 C7#8.1 J1.1 J2.1 R3#8.1 U2#12.3 U5#12.1 U6#9.1 U7#7.1
Board_3-VLOGIC: C3#7.1 C4#11.1 U1#8.9 U2#12.2 U3#2.4 U5#12.7 U5#12.8 U6#9.7 U6#9.8 U7#7.7 U7#7.8
Board_3-VSENSE: R3#8.2 R4#9.1 U3#2.9
Board_3-WEAPON2: J3#8.2 R5#6.1 R7#2.2
Board_3-WEAPON3: J3#8.1 R6#5.1 R8#3.2
Board_4-/W2: R5#2.2 U3#11.15
Board_4-/W3: R6#10.2 U3#11.16
Board_4-BLINKY: D1.2 U3#11.10
Board_4-GIO1: U1#11.2 U3#11.1
Board_4-GND: C2#12.2 C3#8.2 C4#2.2 C5#5.2 C6#2.2 C7#9.2 J1#8.2 J2#4.3 R1#3.2 R2#8.2 R4#3.2 R7#8.1 R8#12.1 U1#11.7 U1#11.10 U2.1 U3#11.3 U3#11.21 U5#6.4 U5#6.9 U6#6.4 U6#6.9 U7#9.4 U7#9.9
Board_4-MOTOR1F: U3#11.2 U5#6.6
Board_4-MOTOR1R: U3#11.14 U5#6.5
Board_4-MOTOR2F: U3#11.12 U6#6.6
Board_4-MOTOR2R: U3#11.13 U6#6.5
Board_4-MOTOR3F: U3#11.6 U7#9.6
Board_4-MOTOR3R: U3#11.5 U7#9.5
Board_4-Net-(D1-Pad1): D1.1 R1#3.1
Board_4-Net-(D2-Pad1): D2.1 R2#8.1
Board_4-Net-(J5-Pad1): J5.1 U5#6.3
Board_4-Net-(J5-Pad2): J5.2 U5#6.2
Board_4-Net-(J6-Pad1): J6#4.1 U6#6.3
Board_4-Net-(J6-Pad2): J6#4.2 U6#6.2
Board_4-Net-(J7-Pad1): J7#11.1 U7#9.3
Board_4-Net-(J7-Pad2): J7#11.2 U7#9.2
Board_4-SPI_SCK: U1#11.13 U3#11.8
Board_4-SPI_SCS: U1#11.12 U3#11.11
Board_4-SPI_SDIO: U1#11.14 U3#11.7
Board_4-TXDEBUG: D2.2 U3#11.20
Board_4-unconnected-(J2-Pad2): J2#4.2
Board_4-unconnected-(J2-Pad4): J2#4.4
Board_4-unconnected-(J2-Pad5): J2#4.5
Board_4-unconnected-(J2-Pad7): J2#4.7
Board_4-unconnected-(J2-Pad8): J2#4.8
Board_4-unconnected-(U1-Pad1): U1#11.1
Board_4-unconnected-(U1-Pad4): U1#11.4
Board_4-unconnected-(U1-Pad8): U1#11.8
Board_4-unconnected-(U3-Pad17): U3#11.17
Board_4-unconnected-(U3-Pad18): U3#11.18
Board_4-UPDI: J2#4.6 U3#11.19
Board_4-VBAT: C2#12.1 C5#5.1 C6#2.1 C7#9.1 J1#8.1 J2#4.1 R3#12.1 U2.3 U5#6.1 U6#6.1 U7#9.1
Board_4-VLOGIC: C3#8.1 C4#2.1 U1#11.9 U2.2 U3#11.4 U5#6.7 U5#6.8 U6#6.7 U6#6.8 U7#9.7 U7#9.8
Board_4-VSENSE: R3#12.2 R4#3.1 U3#11.9
Board_4-WEAPON2: J3#3.2 R5#2.1 R7#8.2
Board_4-WEAPON3: J3#3.1 R6#10.1 R8#12.2
Board_5-/W2: R5#3.2 U3#10.15
Board_5-/W3: R6#8.2 U3#10.16
Board_5-BLINKY: D1#12.2 U3#10.10
Board_5-GIO1: U1#3.2 U3#10.1
Board_5-GND: C2#10.2 C3#2.2 C4#5.2 C5#6.2 C6#6.2 C7#4.2 J1#3.2 J2#12.3 R1#7.2 R2#10.2 R4#11.2 R7#12.1 R8#10.1 U1#3.7 U1#3.10 U2#4.1 U3#10.3 U3#10.21 U5#7.4 U5#7.9 U6.4 U6.9 U7#3.4 U7#3.9
Board_5-MOTOR1F: U3#10.2 U5#7.6
Board_5-MOTOR1R: U3#10.14 U5#7.5
Board_5-MOTOR2F: U3#10.12 U6.6
Board_5-MOTOR2R: U3#10.13 U6.5
Board_5-MOTOR3F: U3#10.6 U7#3.6
Board_5-MOTOR3R: U3#10.5 U7#3.5
Board_5-Net-(D1-Pad1): D1#12.1 R1#7.1
Board_5-Net-(D2-Pad1): D2#12.1 R2#10.1
Board_5-Net-(J5-Pad1): J5#7.1 U5#7.3
Board_5-Net-(J5-Pad2): J5#7.2 U5#7.2
Board_5-Net-(J6-Pad1): J6#12.1 U6.3
Board_5-Net-(J6-Pad2): J6#12.2 U6.2
Board_5-Net-(J7-Pad1): J7#4.1 U7#3.3
Board_5-Net-(J7-Pad2): J7#4.2 U7#3.2
Board_5-SPI_SCK: U1#3.13 U3#10.8
Board_5-SPI_SCS: U1#3.12 U3#10.11
Board_5-SPI_SDIO: U1#3.14 U3#10.7
Board_5-TXDEBUG: D2#12.2 U3#10.20
Board_5-unconnected-(J2-Pad2): J2#12.2
Board_5-unconnected-(J2-Pad4): J2#12.4
Board_5-unconnected-(J2-Pad5): J2#12.5
Board_5-unconnected-(J2-Pad7): J2#12.7
Board_5-unconnected-(J2-Pad8): J2#12.8
Board_5-unconnected-(U1-Pad1): U1#3.1
Board_5-unconnected-(U1-Pad4): U1#3.4
Board_5-unconnected-(U1-Pad8): U1#3.8
Board_5-unconnected-(U3-Pad17): U3#10.17
Board_5-unconnected-(U3-Pad18): U3#10.18
Board_5-UPDI: J2#12.6 U3#10.19
Board_5-VBAT: C2#10.1 C5#6.1 C6#6.1 C7#4.1 J1#3.1 J2#12.1 R3#7.1 U2#4.3 U5#7.1 U6.1 U7#3.1
Board_5-VLOGIC: C3#2.1 C4#5.1 U1#3.9 U2#4.2 U3#10.4 U5#7.7 U5#7.8 U6.7 U6.8 U7#3.7 U7#3.8
Board_5-VSENSE: R3#7.2 R4#11.1 U3#10.9
Board_5-WEAPON2: J3#5.2 R5#3.1 R7#12.2
Board_5-WEAPON3: J3#5.1 R6#8.1 R8#10.2
Board_6-/W2: R5#5.2 U3#9.15
Board_6-/W3: R6#6.2 U3#9.16
Board_6-BLINKY: D1#8.2 U3#9.10
Board_6-GIO1: U1#6.2 U3#9.1
Board_6-GND: C2#9.2 C3.2 C4#3.2 C5#7.2 C6#10.2 C7#6.2 J1#5.2 J2#7.3 R1#9.2 R2#11.2 R4.2 R7#5.1 R8#5.1 U1#6.7 U1#6.10 U2#10.1 U3#9.3 U3#9.21 U5#4.4 U5#4.9 U6#4.4 U6#4.9 U7#2.4 U7#2.9
Board_6-MOTOR1F: U3#9.2 U5#4.6
Board_6-MOTOR1R: U3#9.14 U5#4.5
Board_6-MOTOR2F: U3#9.12 U6#4.6
Board_6-MOTOR2R: U3#9.13 U6#4.5
Board_6-MOTOR3F: U3#9.6 U7#2.6
Board_6-MOTOR3R: U3#9.5 U7#2.5
Board_6-Net-(D1-Pad1): D1#8.1 R1#9.1
Board_6-Net-(D2-Pad1): D2#9.1 R2#11.1
Board_6-Net-(J5-Pad1): J5#5.1 U5#4.3
Board_6-Net-(J5-Pad2): J5#5.2 U5#4.2
Board_6-Net-(J6-Pad1): J6#8.1 U6#4.3
Board_6-Net-(J6-Pad2): J6#8.2 U6#4.2
Board_6-Net-(J7-Pad1): J7#7.1 U7#2.3
Board_6-Net-(J7-Pad2): J7#7.2 U7#2.2
Board_6-SPI_SCK: U1#6.13 U3#9.8
Board_6-SPI_SCS: U1#6.12 U3#9.11
Board_6-SPI_SDIO: U1#6.14 U3#9.7
Board_6-TXDEBUG: D2#9.2 U3#9.20
Board_6-unconnected-(J2-Pad2): J2#7.2
Board_6-unconnected-(J2-Pad4): J2#7.4
Board_6-unconnected-(J2-Pad5): J2#7.5
Board_6-unconnected-(J2-Pad7): J2#7.7
Board_6-unconnected-(J2-Pad8): J2#7.8
Board_6-unconnected-(U1-Pad1): U1#6.1
Board_6-unconnected-(U1-Pad4): U1#6.4
Board_6-unconnected-(U1-Pad8): U1#6.8
Board_6-unconnected-(U3-Pad17): U3#9.17
Board_6-unconnected-(U3-Pad18): U3#9.18
Board_6-UPDI: J2#7.6 U3#9.19
Board_6-VBAT: C2#9.1 C5#7.1 C6#10.1 C7#6.1 J1#5.1 J2#7.1 R3#5.1 U2#10.3 U5#4.1 U6#4.1 U7#2.1
Board_6-VLOGIC: C3.1 C4#3.1 U1#6.9 U2#10.2 U3#9.4 U5#4.7 U5#4.8 U6#4.7 U6#4.8 U7#2.7 U7#2.8
Board_6-VSENSE: R3#5.2 R4.1 U3#9.9
Board_6-WEAPON2: J3.2 R5#5.1 R7#5.2
Board_6-WEAPON3: J3.1 R6#6.1 R8#5.2
Board_7-/W2: R5#12.2 U3.15
Board_7-/W3: R6#9.2 U3.16
Board_7-BLINKY: D1#9.2 U3.10
Board_7-GIO1: U1#2.2 U3.1
Board_7-GND: C2#8.2 C3#9.2 C4#8.2 C5#3.2 C6#4.2 C7#3.2 J1#9.2 J2#2.3 R1#4.2 R2#12.2 R4#12.2 R7#9.1 R8#11.1 U1#2.7 U1#2.10 U2#8.1 U3.3 U3.21 U5#2.4 U5#2.9 U6#11.4 U6#11.9 U7#4.4 U7#4.9
Board_7-MOTOR1F: U3.2 U5#2.6
Board_7-MOTOR1R: U3.14 U5#2.5
Board_7-MOTOR2F: U3.12 U6#11.6
Board_7-MOTOR2R: U3.13 U6#11.5
Board_7-MOTOR3F: U3.6 U7#4.6
Board_7-MOTOR3R: U3.5 U7#4.5
Board_7-Net-(D1-Pad1): D1#9.1 R1#4.1
Board_7-Net-(D2-Pad1): D2#7.1 R2#12.1
Board_7-Net-(J5-Pad1): J5#11.1 U5#2.3
Board_7-Net-(J5-Pad2): J5#11.2 U5#2.2
Board_7-Net-(J6-Pad1): J6#7.1 U6#11.3
Board_7-Net-(J6-Pad2): J6#7.2 U6#11.2
Board_7-Net-(J7-Pad1): J7#10.1 U7#4.3
Board_7-Net-(J7-Pad2): J7#10.2 U7#4.2
Board_7-SPI_SCK: U1#2.13 U3.8
Board_7-SPI_SCS: U1#2.12 U3.11
Board_7-SPI_SDIO: U1#2.14 U3.7
Board_7-TXDEBUG: D2#7.2 U3.20
Board_7-unconnected-(J2-Pad2): J2#2.2
Board_7-unconnected-(J2-Pad4): J2#2.4
Board_7-unconnected-(J2-Pad5): J2#2.5
Board_7-unconnected-(J2-Pad7): J2#2.7
Board_7-unconnected-(J2-Pad8): J2#2.8
Board_7-unconnected-(U1-Pad1): U1#2.1
Board_7-unconnected-(U1-Pad4): U1#2.4
Board_7-unconnected-(U1-Pad8): U1#2.8
Board_7-unconnected-(U3-Pad17): U3.17
Board_7-unconnected-(U3-Pad18): U3.18
Board_7-UPDI: J2#2.6 U3.19
Board_7-VBAT: C2#8.1 C5#3.1 C6#4.1 C7#3.1 J1#9.1 J2#2.1 R3#10.1 U2#8.3 U5#2.1 U6#11.1 U7#4.1
Board_7-VLOGIC: C3#9.1 C4#8.1 U1#2.9 U2#8.2 U3.4 U5#2.7 U5#2.8 U6#11.7 U6#11.8 U7#4.7 U7#4.8
Board_7-VSENSE: R3#10.2 R4#12.1 U3.9
Board_7-WEAPON2: J3#4.2 R5#12.1 R7#9.2
Board_7-WEAPON3: J3#4.1 R6#9.1 R8#11.2
Board_8-/W2: R5.2 U3#3.15
Board_8-/W3: R6#4.2 U3#3.16
Board_8-BLINKY: D1#6.2 U3#3.10
Board_8-GIO1: U1#12.2 U3#3.1
Board_8-GND: C2#11.2 C3#3.2 C4#10.2 C5#2.2 C6#3.2 C7#10.2 J1#4.2 J2#6.3 R1#6.2 R2#3.2 R4#2.2 R7#6.1 R8#9.1 U1#12.7 U1#12.10 U2#5.1 U3#3.3 U3#3.21 U5#11.4 U5#11.9 U6#12.4 U6#12.9 U7#11.4 U7#11.9
Board_8-MOTOR1F: U3#3.2 U5#11.6
Board_8-MOTOR1R: U3#3.14 U5#11.5
Board_8-MOTOR2F: U3#3.12 U6#12.6
Board_8-MOTOR2R: U3#3.13 U6#12.5
Board_8-MOTOR3F: U3#3.6 U7#11.6
Board_8-MOTOR3R: U3#3.5 U7#11.5
Board_8-Net-(D1-Pad1): D1#6.1 R1#6.1
Board_8-Net-(D2-Pad1): D2#2.1 R2#3.1
Board_8-Net-(J5-Pad1): J5#9.1 U5#11.3
Board_8-Net-(J5-Pad2): J5#9.2 U5#11.2
Board_8-Net-(J6-Pad1): J6#10.1 U6#12.3
Board_8-Net-(J6-Pad2): J6#10.2 U6#12.2
Board_8-Net-(J7-Pad1): J7#5.1 U7#11.3
Board_8-Net-(J7-Pad2): J7#5.2 U7#11.2
Board_8-SPI_SCK: U1#12.13 U3#3.8
Board_8-SPI_SCS: U1#12.12 U3#3.11
Board_8-SPI_SDIO: U1#12.14 U3#3.7
Board_8-TXDEBUG: D2#2.2 U3#3.20
Board_8-unconnected-(J2-Pad2): J2#6.2
Board_8-unconnected-(J2-Pad4): J2#6.4
Board_8-unconnected-(J2-Pad5): J2#6.5
Board_8-unconnected-(J2-Pad7): J2#6.7
Board_8-unconnected-(J2-Pad8): J2#6.8
Board_8-unconnected-(U1-Pad1): U1#12.1
Board_8-unconnected-(U1-Pad4): U1#12.4
Board_8-unconnected-(U1-Pad8): U1#12.8
Board_8-unconnected-(U3-Pad17): U3#3.17
Board_8-unconnected-(U3-Pad18): U3#3.18
Board_8-UPDI: J2#6.6 U3#3.19
Board_8-VBAT: C2#11.1 C5#2.1 C6#3.1 C7#10.1 J1#4.1 J2#6.1 R3#2.1 U2#5.3 U5#11.1 U6#12.1 U7#11.1
Board_8-VLOGIC: C3#3.1 C4#10.1 U1#12.9 U2#5.2 U3#3.4 U5#11.7 U5#11.8 U6#12.7 U6#12.8 U7#11.7 U7#11.8
Board_8-VSENSE: R3#2.2 R4#2.1 U3#3.9
Board_8-WEAPON2: J3#7.2 R5.1 R7#6.2
Board_8-WEAPON3: J3#7.1 R6#4.1 R8#9.2
Board_9-/W2: R5#9.2 U3#5.15
Board_9-/W3: R6#12.2 U3#5.16
Board_9-BLINKY: D1#11.2 U3#5.10
Board_9-GIO1: U1#9.2 U3#5.1
Board_9-GND: C2#4.2 C3#11.2 C4.2 C5#11.2 C6.2 C7#11.2 J1#12.2 J2#9.3 R1#5.2 R2#7.2 R4#5.2 R7#3.1 R8#7.1 U1#9.7 U1#9.10 U2#6.1 U3#5.3 U3#5.21 U5#8.4 U5#8.9 U6#8.4 U6#8.9 U7#12.4 U7#12.9
Board_9-MOTOR1F: U3#5.2 U5#8.6
Board_9-MOTOR1R: U3#5.14 U5#8.5
Board_9-MOTOR2F: U3#5.12 U6#8.6
Board_9-MOTOR2R: U3#5.13 U6#8.5
Board_9-MOTOR3F: U3#5.6 U7#12.6
Board_9-MOTOR3R: U3#5.5 U7#12.5
Board_9-Net-(D1-Pad1): D1#11.1 R1#5.1
Board_9-Net-(D2-Pad1): D2#4.1 R2#7.1
Board_9-Net-(J5-Pad1): J5#10.1 U5#8.3
Board_9-Net-(J5-Pad2): J5#10.2 U5#8.2
